# Altium PCB HPowerv2.PcbDoc
Units mil, origin at the board's own origin, x right, y up, seen from the top; angles counter-clockwise.
Board outline 2060 x 3015 mil, 2 copper layers (Top Layer, Bottom Layer); 35 components, 15 nets, 108 pads, 10 vias.
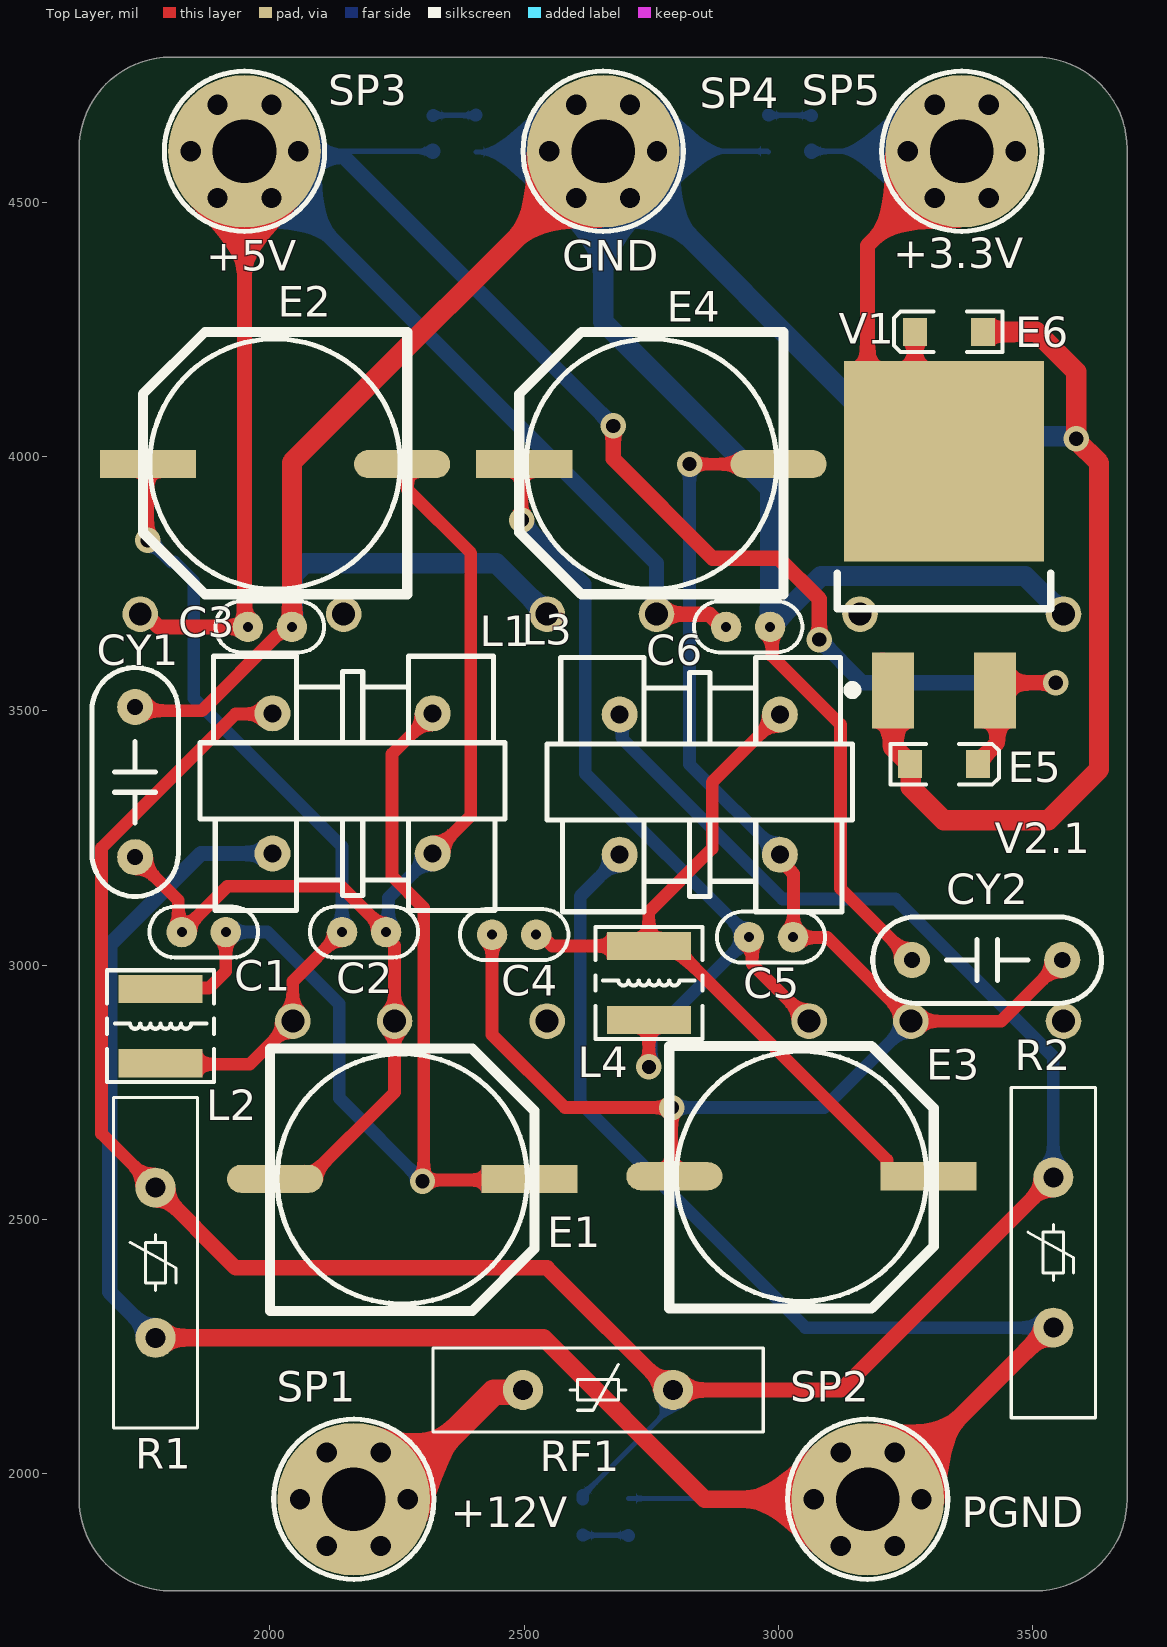
[diagram p0: Top Layer view]
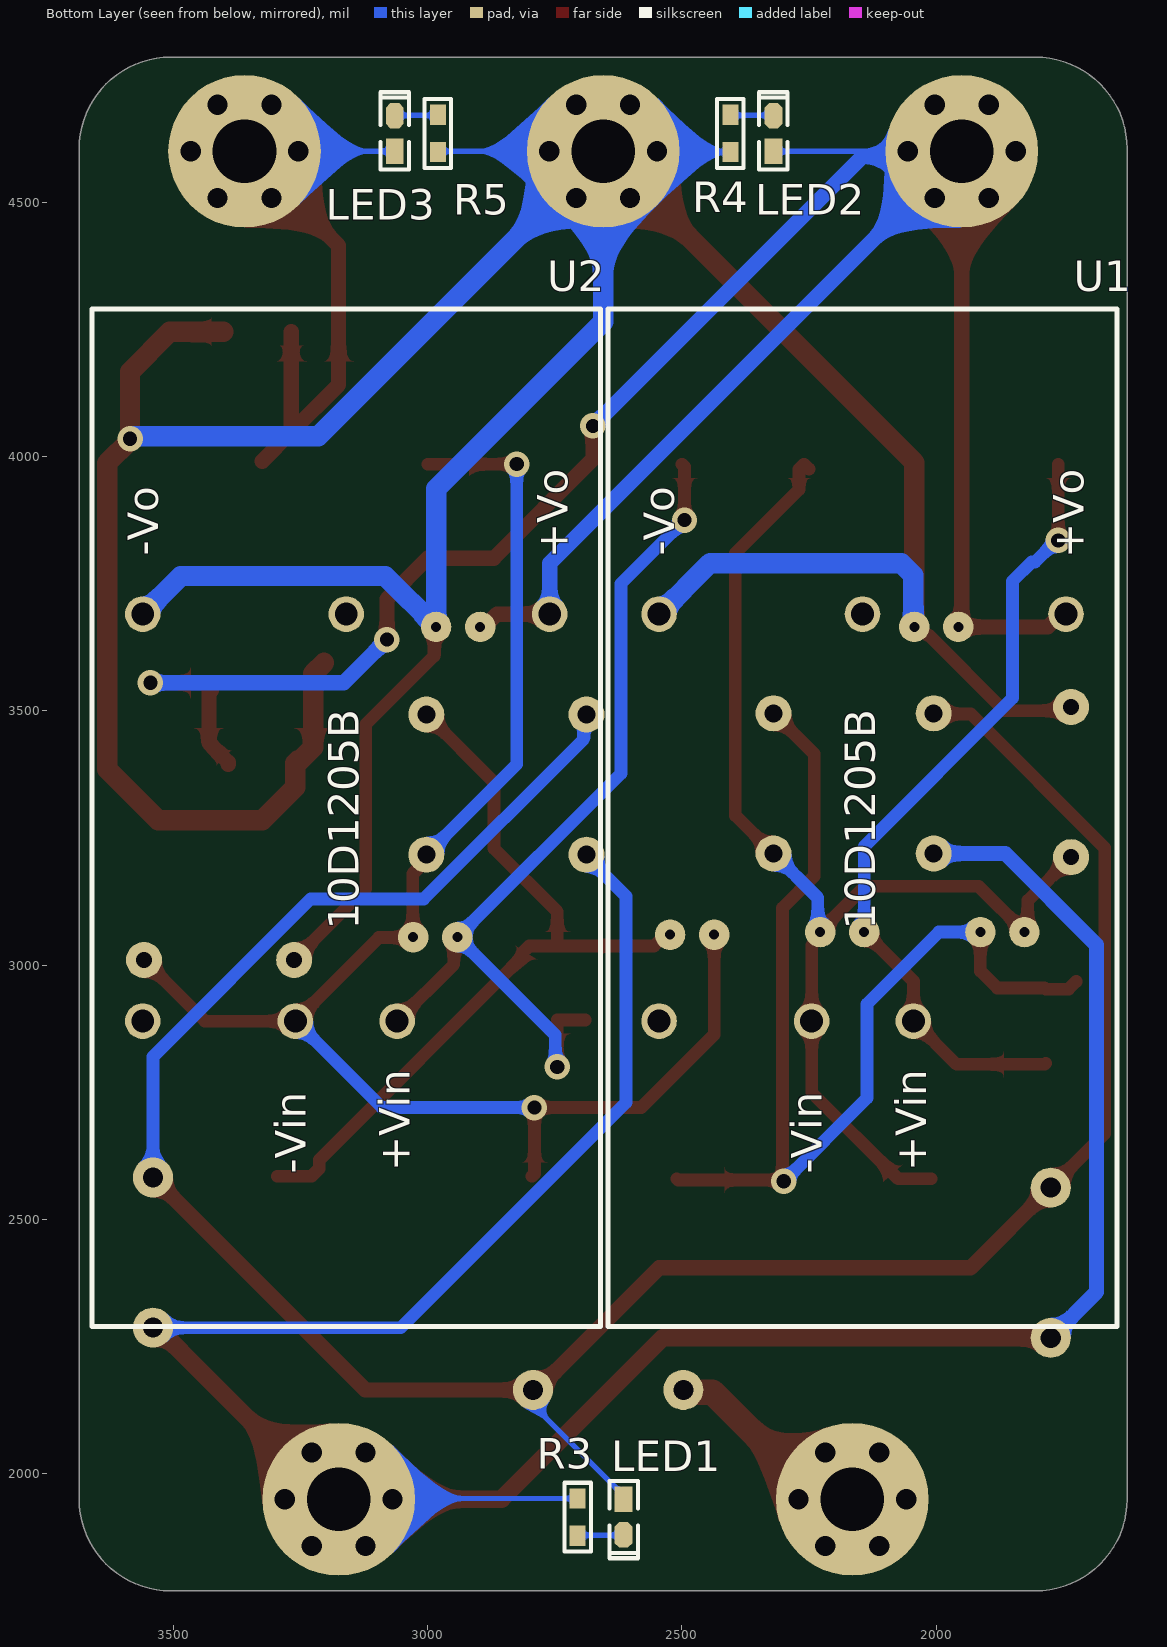
[diagram p1: Bottom Layer view, seen from below]
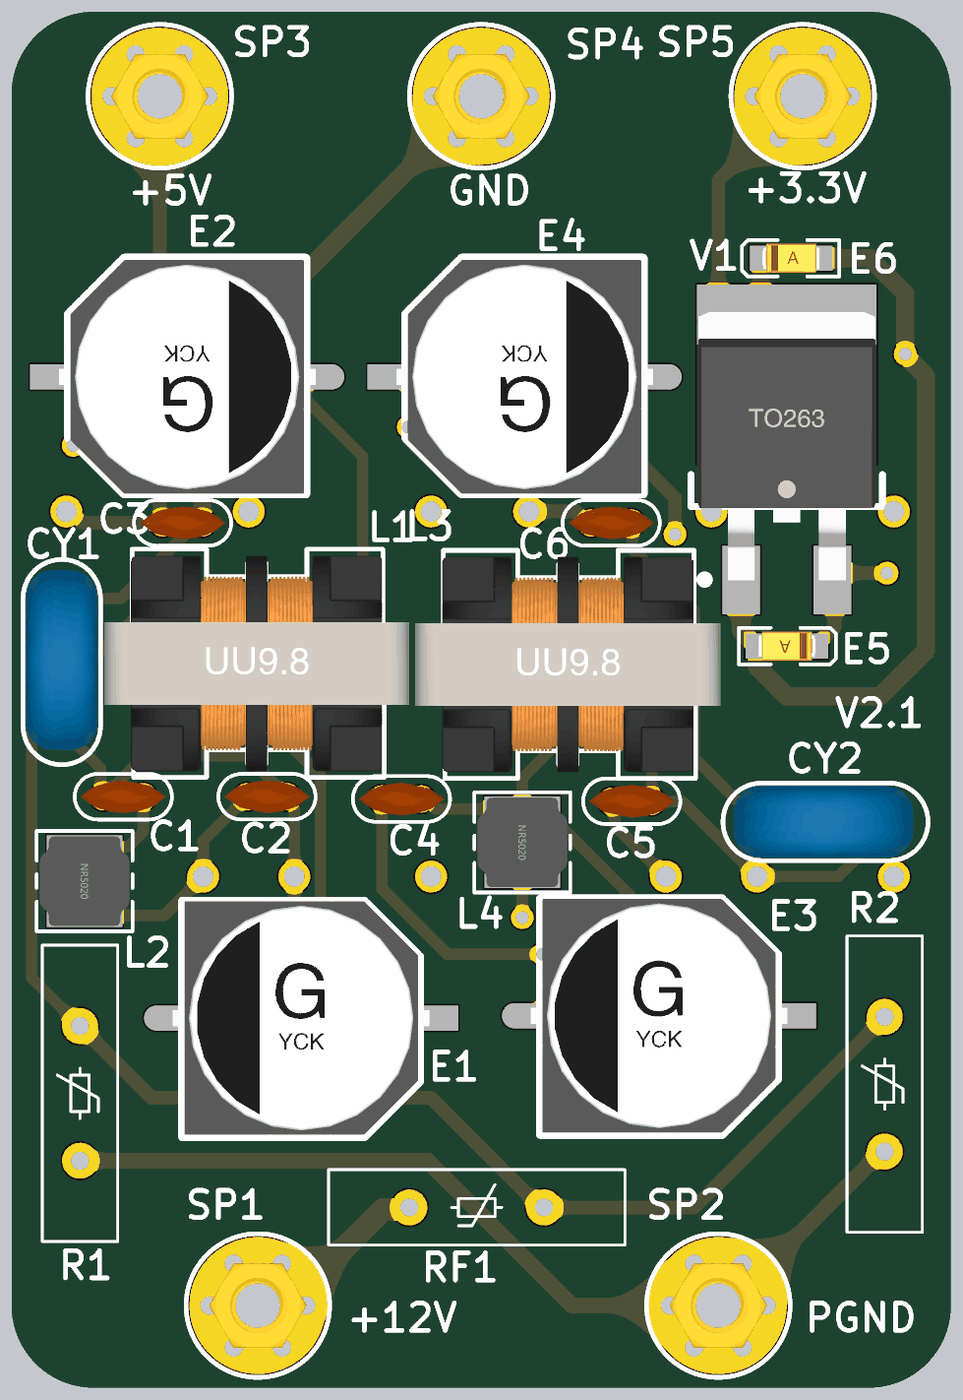
[diagram p2: 3D render of the assembled board from above, using the file's embedded part models]
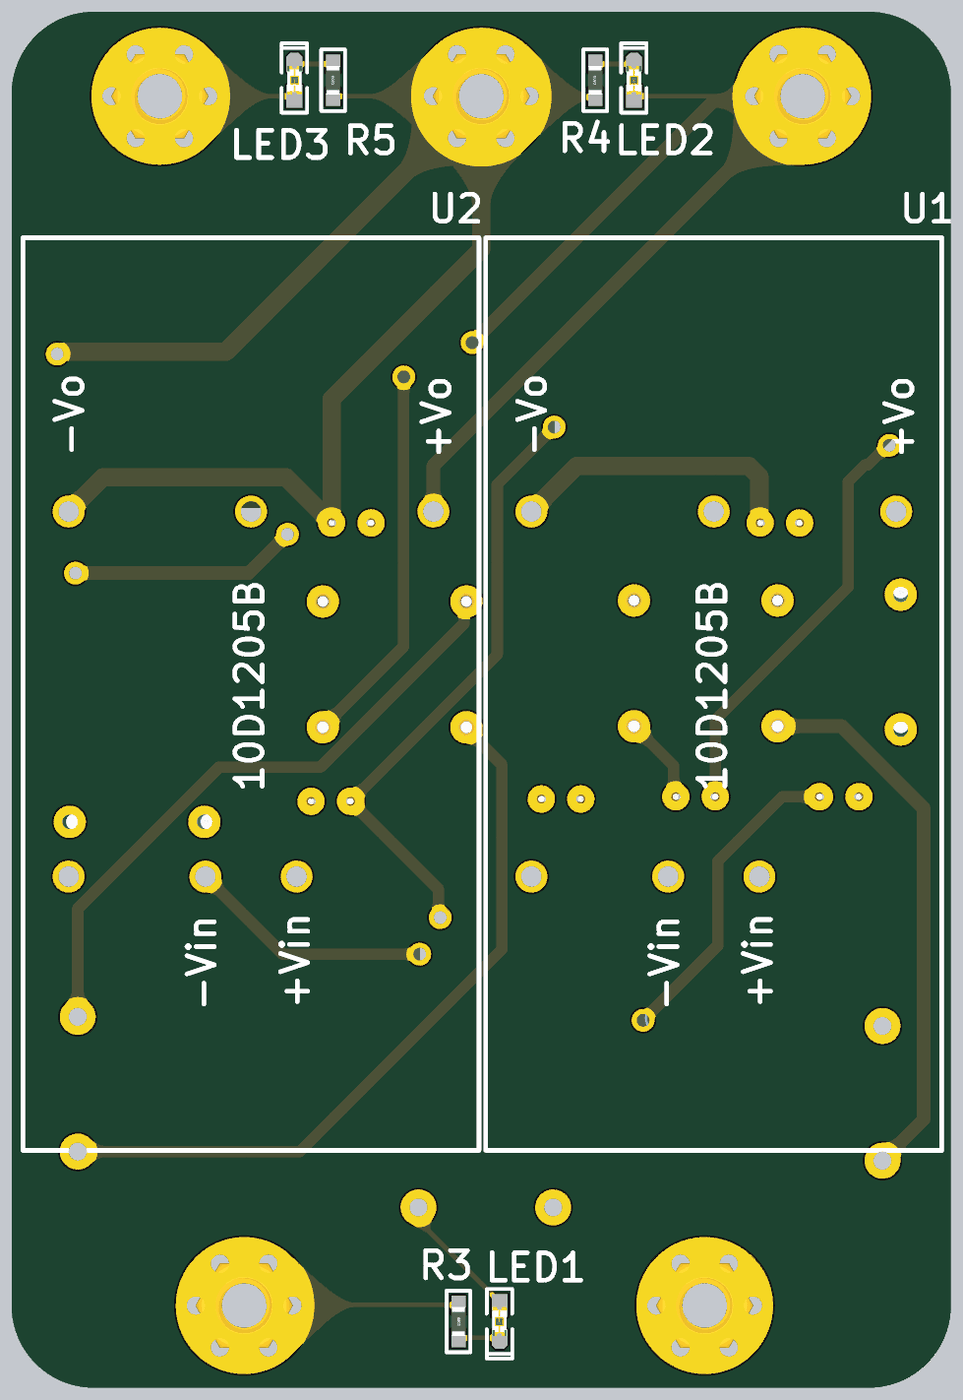
[diagram p3: 3D render of the assembled board from below, using the file's embedded part models]

## Layer stack, top to bottom
Top Solder: solder mask 0.4, Solder Resist, Dk 3.5
Top Layer: signal copper 1.4
Dielectric 1: dielectric 12.6, FR-4, Dk 4.8
Bottom Layer: signal copper 1.4
Bottom Solder: solder mask 0.4, Solder Resist, Dk 3.5

## Board outline
1805,1770 cw(c1805,1950) 1625,1950 1625,4605 cw(c1805,4605) 1805,4785 3505,4785 cw(c3505,4605) 3685,4605 3685,1950 cw(c3505,1950) 3505,1770

## Design rules (kind name [scope] priority, off if disabled: settings)
Clearance [All] p1: gap=10 ignorepadtopadclearanceinfootprint=FALSE
HoleSize [All] p1: absolutevalues=TRUE maxlimit=300 minlimit=1 maxpercent=80.000 minpercent=20.000
PolygonConnect [All] p1: connectstyle=Relief reliefconductorwidth=10 reliefentries=4 polygonreliefangle="90 Angle" airgapwidth=10
RoutingVias [All] p1: holewidth=28 width=50 viastyle="Through Hole" minholewidth=20 minwidth=20 maxholewidth=300 maxwidth=600
SolderMaskExpansion [All] p1: expansion=4 istentingtop=FALSE
Width Width_GND [InNet('GND')] p1: maxlimit=100 minlimit=10 preferedwidth=40 minimp=50.000000 maximp=50.000000 favimp=50.000000
Width Width_5V [InNet('+5')] p2: maxlimit=100 minlimit=10 preferedwidth=30 minimp=50.000000 maximp=50.000000 favimp=50.000000
Width Width_3v3 [InNet('+3.3')] p3: maxlimit=100 minlimit=10 preferedwidth=30 minimp=50.000000 maximp=50.000000 favimp=50.000000
Width Width_12VPr [InNet('NetL1_1')] p4: maxlimit=100 minlimit=10 preferedwidth=25 minimp=50.000000 maximp=50.000000 favimp=50.000000
Width Width_PGND [InNet('PGND')] p5: maxlimit=100 minlimit=10 preferedwidth=50 minimp=50.000000 maximp=50.000000 favimp=50.000000
Width Width_12V [InNet('+12')] p6: maxlimit=100 minlimit=10 preferedwidth=50 minimp=50.000000 maximp=50.000000 favimp=50.000000
Width [All] p7: maxlimit=100 minlimit=6 preferedwidth=25 minimp=50.000000 maximp=50.000000 favimp=50.000000
29 further rules are at their usual default settings.

## Components (designator, comment, footprint, x,y, rotation, side; value= is the part's Value field where it differs from the comment)
C1 "1uF" "CC 2.2*5" 1870,3065 r180 top
C2 "1uF" "CC 2.2*5" 2185,3065 r0 top
C3 "1uF" "CC 2.2*5" 2000,3665 r0 top
C4 "1uF" "CC 2.2*5" 2480,3060 r180 top
C5 "1uF" "CC 2.2*5" 2985,3055 r0 top
C6 "1uF" "CC 2.2*5" 2940,3665 r0 top
CY1 "1nF/250V" "CY 7.5*10*4" 1735,3360 r90 top
CY2 "1nF/250V" "CY 7.5*10*4" 3410,3010 r180 top
E1 "470uF/50V" "CM G(12.5*13.5)" 2260,2580 r0 top
E2 "470uF/50V" "CM G(12.5*13.5)" 2010,3985 r180 top
E3 "470uF/50V" "CM G(12.5*13.5)" 3045,2585 r0 top
E4 "470uF/50V" "CM G(12.5*13.5)" 2750,3985 r180 top
E5 "10uF/6.3V" "CD A(3216)" 3325,3395 r180 top
E6 "10uF/6.3V" "CD A(3216)" 3335,4245 r0 top
L1 "2mH" UU9.8 2162.52,3357.2 r0 top
L2 "4.7uH" NR5020 1785,2880 r270 top
L3 "2mH" UU9.8 2845,3355 r0 top
L4 "4.7uH" NR5020 2745,2965 r270 top
LED1 "红色" "LED 0603R" 2615,1915 r270 bottom
LED2 "绿色" "LED 0603G" 2320,4635 r90 bottom
LED3 "蓝色" "LED 0603B" 3064.49,4635 r90 bottom
R1 "330K" 14D 1775,2415 r90 top
R2 "330K" 14D 3540,2435 r90 top
R3 "4.7K" "R 0603_M" 2705,1915 r270 bottom
R4 "4.7K" "R 0603_M" 2405,4635 r90 bottom
R5 "4.7K" "R 0603_M" 2980,4635 r90 bottom
RF1 "16V 5A" 14D 2645,2165 r0 top
SP1 "M3铜柱" M3x14_N 2165,1950 r0 top
SP2 "M3铜柱" M3x14_N 3175,1950 r0 top
SP3 "M3铜柱" M3x14_N 1950,4600 r0 top
SP4 "M3铜柱" M3x14_N 2655,4600 r0 top
SP5 "M3铜柱" M3x14_N 3360,4600 r0 top
U1 "10D1205B" 10D12B-10WDCDC 2145,3290 r90 bottom
U2 "10D1205B" 10D12B-10WDCDC 3160,3290 r90 bottom
V1 "AIC1084-3.3V" TO263-3B 3325,3990.79 r0 top

## Footprints (in the part's own frame and the unit in brackets; to place one, negate y for a bottom-side part, rotate by r counter-clockwise, add the part's x,y. Pads: shape width x height; smd on the part's side, far side on the other; paste and mask are expansions set on the pad)
10D12B-10WDCDC [mil]
  round 70 hole 45: 0(-400,400) 0(400,0) 1(-400,-100) 2(-400,100) 3(400,400) 4(400,-400)
  silkscreen extent -1000,-500 1000,500
14D [mm]
  round 2 hole 1: 1(-3.75,0) 2(3.75,0)
  silkscreen extent -8.25,-2.1 8.25,2.1
"CC 2.2*5" [mil] "脚距2.2mm直径5mm"
  round 60 hole 19.68: 1(-43.31,0) 2(43.31,0)
  silkscreen extent -107,-50 107,50, body extent -94,-36 94,36, height 189
"CD A(3216)" [mm] "长3.2mm，宽1.6mm，厚1.6mm"
  rect 1.2x1.4 smd: 1(-1.7,0) 2(1.7,0)
  silkscreen extent -2.74,-1.02 2.67,1.02, body extent -1.6,-0.8 1.6,0.8, height 1.6
"CM G(12.5*13.5)" [mm] "贴片电解电容，直径12.5mm，高13.5mm"
  rect 4.8x1.4 smd: 1(6.35,0)
  oval 4.8x1.4 smd: 2(-6.35,0)
  silkscreen extent -6.6,-6.6 6.6,6.5, body extent -7.15,-6.5 7.15,6.5, height 13.5
"CY 7.5*10*4" [mm] "脚距7.5mm，直径10mm，厚4mm"
  round 1.8 hole 0.8: 1(-3.75,0) 2(3.75,0)
  silkscreen extent -5.71,-2.16 5.71,2.16, body extent -4.88,-2 5.12,2, height 10.2
"LED 0603B" [mil] "蓝色0603LED"
  rect 50x35 smd: 1(-35,0.26)
  oct 50x35 smd: 2(35,0.26)
  silkscreen extent -71,-28 81,28, body extent -31,-16 31,16, height 24
"LED 0603G" [mil] "绿色0603LED"
  rect 50x35 smd: 1(-35,0.26)
  oct 50x35 smd: 2(35,0.26)
  silkscreen extent -71,-28 81,28, body extent -31,-16 31,16, height 24
"LED 0603R" [mil] "红色0603LED"
  rect 50x35 smd: 1(-35,0.26)
  oct 50x35 smd: 2(35,0.26)
  silkscreen extent -71,-28 81,28, body extent -31,-16 31,16, height 24
M3x14_N [mil] "M3铜柱，长：14mm"
  round 40 hole 40: 1(-106,0) 1(-53,-91.8) 1(-53,91.8) 1(53,-91.8) 1(53,91.8) 1(106,0)
  round 300 hole 125: 1(0,0)
  silkscreen extent -157,-157 157,157, body extent -106,-93 106,93, height 553
NR5020 [mm] "5.0mm*5.0mm*2.0mm(长*宽*高）"
  rect 1.4x4.2 smd: 1(-1.85,0) 2(1.85,0)
  silkscreen extent -2.79,-2.67 2.79,2.67, body extent -2.5,-2.5 2.5,2.5, height 2.1
"R 0603_M" [mil] "1/10W贴片电阻"
  rect 40x31.5 smd: 1(-36.5,0) 2(36.5,0)
  silkscreen extent -68,-26 68,26, body extent -31,-16 31,16, height 16
TO263-3B [mm] "263，3脚晶体管"
  rect 2.1x3.8 smd: 1(-2.54,-11.45) 3(2.54,-11.45)
  rect 10x10 smd: 2(0,0)
  silkscreen extent -5.33,-11.63 5.33,-5.59, body extent -5,-11.46 5,3.47, height 4.5
UU9.8 [mm] "17*12*17mm(长宽高）"
  round 1.8 hole 0.9: 1(-4,3.5) 2(-4,-3.5) 3(4,-3.5) 4(4,3.5)
  silkscreen extent -7.62,-6.35 7.62,6.35, body extent -8.5,-6 8.5,6, height 17.05

## Part data
C1 C2 C3 C4 C5 C6: library part C-CC, "直插瓷片电容", BOM名称=直插瓷片电容, 学习资源=www.ooocke.com, 版权归属=源创客
CY1 CY2: library part C-CY, "高压陶瓷电容，Y电容", BOM名称=高压陶瓷电容，Y电容, 学习资源=www.ooocke.com, 版权归属=源创客
E1 E2 E3 E4: library part C-CM, "贴片电解电容", BOM名称=贴片电解电容, 学习资源=www.ooocke.com, 版权归属=源创客
E5 E6: library part C-CD, "贴片钽电容", BOM名称=贴片钽电容, 学习资源=www.ooocke.com, 版权归属=源创客
L1 L3: library part L-CMC, "共模电感", BOM名称=共模电感, 学习资源=www.ooocke.com, 版权归属=源创客
L2 L4: library part L-NR, "NR磁胶电感", BOM名称=NR磁胶电感, 学习资源=www.ooocke.com, 版权归属=源创客
LED1 LED2 LED3: library part LED-SMD, "贴片LED", BOM名称=贴片LED, 学习资源=www.ooocke.com, 版权归属=源创客
R1 R2: library part R_VDR, "压敏电阻", BOM名称=压敏电阻, 学习资源=www.ooocke.com, 版权归属=源创客
R3 R4 R5: library part R, "贴片电阻", BOM名称=贴片电阻, 学习资源=www.ooocke.com, 版权归属=源创客
RF1: library part PPTC, "PPTC自恢复保险丝", BOM名称=PPTC自恢复保险丝, 学习资源=www.ooocke.com, 版权归属=源创客
SP1 SP2 SP3 SP4 SP5: library part 铜柱大焊盘, "铜柱", BOM名称=铜柱, 学习资源=www.ooocke.com, 版权归属=源创客
U1 U2: "DC-DC 12V转5V隔离降压模块"
V1: library part AIC1084, "大功率LDO"

## Via types
v1: diameter 50, hole 28, Top Layer to Bottom Layer, 10 vias

## Nets (pads, with @x,y where several pads share a name; then routed paths per layer and width w, separated by ;. In a path a pad name is that pad's centre, name@x,y a point inside that pad or via, vN(x,y) a via of type N, cw(c..) or ccw(c..) an arc to the next point about the centre after c; other vN are vias at no path point)
+3.3: E6.1 LED3.1 SP5.1 V1.2 | length 1240.5
  Top Layer w30: E6.1 V1.2@3268.07,4047.72 ; V1.2 V1.2@3268.07,4047.72 ; SP5.1@3360,4600 3175,4415 3175,4140.79 V1.2@3268.07,4047.72
  Bottom Layer w10: LED3.1 SP5.1@3360,4600
+5: C3.1 C6.1 E5.1 LED2.1 SP3.1 U1.4 U2.4 V1.3 | length 5095.4
  Top Layer w30: U1.4 1755.82,3690 1780.82,3665 C3.1 ; C3.1@1950,3689.28 SP3.1@1950,4600 ; v1(2675,4060) 2675,3995 2870,3800 3000,3800 3080,3720 v1(3080,3640) ; U2.4@2765,3695 U2.4 2863.57,3690 2888.57,3665 C6.1 ; E5.1 3391.93,3398.94 3430,3437.01 3430,3535 V1.3 3440,3555 v1(3545,3555)
  Bottom Layer w10: 2145,4600 LED2.1
  Bottom Layer w30: SP3.1@1950,4600 SP3.1@1960,4590 ; v1(2675,4060) 2145,4590 2056,4590 SP3.1@1960,4590 ; U2.4 2760,3790 SP3.1@1960,4590 ; v1(3080,3640) 3165,3555 v1(3545,3555)
+12: RF1.1 SP1.1 | length 421.4
  Top Layer w50: SP1.1@2165,1950 2229.75,1950 2440.18,2160.43 2492.8,2160.43 RF1.1
GND: C3.2 C6.2 CY1.2 CY2.2 E5.2 E6.2 R4.1 R5.1 SP4.1 U1.3 U2.3 V1.1 | length 8165.3
  Top Layer w25: CY1.2 1742.64,3500 1865.94,3500 2014.39,3648.45 2017.29,3648.45 2033.84,3665 C3.2 ; C6.2@2987.13,3661.17 2987.13,3607.87 3121.8,3473.2 3121.8,3150.57 CY2.2
  Top Layer w40: C3.2 2043.31,3988.31 SP4.1@2655,4600 ; C6.2 C6.2@2987.13,3661.17 ; V1.1@3203.66,3594.8 3225,3573.46 V1.1 3225,3428.07 3250.51,3402.56 3254.45,3402.56 3260,3397.01 3260,3350 3325,3285 3530,3285 3630,3385 3630,3987.29 3585,4032.29 v1(3585,4035) 3585,4166.91 3506.91,4245 E6.2
  Bottom Layer w10: R4.1 SP4.1@2653.5,4598.5 ; SP4.1@2761,4600 2978.5,4600 R5.1
  Bottom Layer w40: C3.2 2045,3666.69 2045,3766.57 2068.43,3790 2445,3790 U1.3 ; SP4.1@2653.5,4598.5 SP4.1@2655,4600 ; SP4.1@2761,4600 SP4.1@2655,4600 ; U2.3 3485,3765 3083.31,3765 C6.2 2983.31,3936.3 2655,4264.6 SP4.1@2655,4600 ; v1@3575,4040 3215,4040 SP4.1@2655,4600
NetC1_1: C1.1 E1.1 L1.4 L2.1 | length 2172.6
  Top Layer w25: L2.1@1725,2967.89 1740.06,2952.83 L2.1 1787.17,2955 1880,2955 1913.31,2988.31 C1.1 ; v1(2300,2575) v1@2302.5,2577.5 ; L1.4 2240,3415 2240,3175 2302.5,3112.5 v1@2302.5,2577.5 ; E1.1 2507.5,2577.5 v1@2302.5,2577.5
  Bottom Layer w25: C1.1 1995,3065 2136.25,2923.75 2136.25,2738.75 v1(2300,2575)
NetC1_2: C1.2 C2.2 CY1.1 E1.2 E2.2 L1.3 U1.2 | length 2348.4
  Top Layer w25: CY1.1 1820,3127.37 1820,3071.7 C1.2 1916.69,3155 2140,3155 2228.31,3066.69 C2.2 2228.31,3055.53 2245,3038.84 U1.2 2245,2750 2075,2580 E1.2 ; E2.2@2250.41,3975.41 E2.2 2270,3975 2270,3935 2395,3810 2395,3294.41 L1.3
  Bottom Layer w25: C2.2 2233.09,3069.78 2233.09,3132.5 L1.3
NetC2_1: C2.1 E2.1 L2.2 U1.1 | length 1595.1
  Top Layer w25: v1(1760,3835) E2.1 ; L2.2 1787.17,2805 1960,2805 U1.1 2045,2968.31 C2.1
  Bottom Layer w25: v1(1760,3835) 1763.6,3835 1806,3792.61 1812.39,3792.61 1850,3755 1850,3525 2141.69,3233.31 C2.1
NetC4_1: C4.1 E3.1 L3.4 L4.1 | length 1544.6
  Top Layer w25: C4.1 2532.78,3060 2554.94,3037.83 L4.1 ; L3.4 2869.35,3359.67 2869.35,3229.35 2745,3105 L4.1 ; E3.1 3228.07,2585 3213.01,2600.06 3213.01,2616.99 2815.18,3014.82 2815.18,3022.78 2800.12,3037.83 L4.1
NetC4_2: C4.2 C5.2 CY2.1 E3.2 E4.2 L3.3 U2.2 | length 3123.4
  Top Layer w25: C4.2 2436.69,2863.31 2580,2720 v1(2790,2720) 2790,2590 E3.2 ; v1(2825,3985) E4.2 ; L3.3 3002.48,3206.26 3029.11,3179.63 3029.11,3054.19 3095.81,3054.19 U2.2 3437.64,2890 CY2.1
  Bottom Layer w25: v1(2790,2720) 3090,2720 U2.2 ; v1(2825,3985) 2825,3394.68 L3.3
NetC5_1: C5.1 E4.1 L4.2 U2.1 | length 1814.9
  Top Layer w25: v1(2495,3875) 2495,3980 E4.1 ; L4.2@2689.88,2892.17 L4.2 v1(2745,2800) ; C5.1 2948.39,3048.3 2948.39,3001.61 U2.1
  Bottom Layer w25: v1(2495,3875) 2620,3750 2620,3376.69 C5.1 2749.19,2862.5 2749.19,2804.19 v1(2745,2800)
NetL1_1: L1.1 L3.1 LED1.1 R1.2 R2.2 RF1.2 | length 4942.4
  Top Layer w25: R1.2 1668.82,2668.82 1668.82,3230.41 1932.11,3493.7 2003.73,3493.7 L1.1 ; RF1.2@2785,2165 RF1.2
  Top Layer w30: R1.2 1932.64,2405 2545,2405 RF1.2@2785,2165 ; RF1.2 3122.36,2165 R2.2
  Bottom Layer w10: LED1.1@2614.74,1957.5 2792.64,2135.39 RF1.2
  Bottom Layer w25: LED1.1 LED1.1@2614.74,1957.5 ; L3.1 2692.81,3487.5 2692.81,3444.94 3007.76,3130 3230,3130 3540,2820 R2.2
NetLED1_2: LED1.2 R3.2 | length 90.9
  Bottom Layer w10: LED1.2@2615.49,1879.25 R3.2@2704.25,1879.25
  Bottom Layer w25: LED1.2 LED1.2@2615.49,1879.25 ; R3.2@2704.25,1879.25 R3.2
NetLED2_2: LED2.2 R4.2 | length 85.4
  Bottom Layer w10: LED2.2@2321,4670.75 R4.2@2404.25,4670.75
  Bottom Layer w25: LED2.2 LED2.2@2321,4670.75 ; R4.2@2404.25,4670.75 R4.2
NetLED3_2: LED3.2 R5.2 | length 85.4
  Bottom Layer w10: R5.2@2980.75,4670.75 LED3.2@3064,4670.75
  Bottom Layer w25: R5.2 R5.2@2980.75,4670.75 ; LED3.2@3064,4670.75 LED3.2
PGND: L1.2 L3.2 R1.1 R2.1 R3.1 SP2.1 | length 5343.7
  Top Layer w35: R1.1 2537.64,2267.36 2855,1950 SP2.1@3069,1950 ; SP2.1@3194.86,1950 R2.1@3532.22,2287.36
  Top Layer w50: SP2.1@3069,1950 3175,1950 SP2.1@3194.86,1950 ; R2.1@3532.22,2287.36 R2.1
  Bottom Layer w10: R3.1 SP2.1@3173.5,1951.5
  Bottom Layer w25: L3.2 2687.52,3212.86 2610,3135.34 2610,2730 3052.64,2287.36 R2.1
  Bottom Layer w30: R1.1 1685,2357.36 1685,3040 1864.41,3219.41 L1.2
  Bottom Layer w50: SP2.1@3173.5,1951.5 SP2.1@3175,1950
pads on no net: U1.0 U2.0

## Silkscreen, mask and mechanical layers (free items; w line width, h text height)
Top Overlay:
  text "+3.3V" at 3225,4370 h60
  text "+5V" at 1875,4365 h60
  text "GND" at 2575,4365 h60
  text "V2.1" at 3425,3220 h60
  text "+12V" at 2355,1895 h60
  text "PGND" at 3360,1895 h60
Mechanical 1:
  the board outline again, w10

## Text inside footprints (layer, text, board x,y; h text height)
U1: Bottom Overlay "-Vin" at 2225,2590 h60 r270; Bottom Overlay "+Vin" at 2020,2595 h60 r270; Bottom Overlay "+Vo" at 1710,3800 h60 r270; Bottom Overlay "-Vo" at 2515,3805 h60 r270
U2: Bottom Overlay "-Vin" at 3240,2590 h60 r270; Bottom Overlay "+Vin" at 3035,2595 h60 r270; Bottom Overlay "+Vo" at 2725,3800 h60 r270; Bottom Overlay "-Vo" at 3530,3805 h60 r270